# Altium PCB 运动控制板.PcbDoc (part 3 of 3)
Units mil, origin at the board's own origin, x right, y up, seen from the top; angles counter-clockwise.
Board outline 4921.26 x 3543.31 mil, 2 copper layers (Top Layer, Bottom Layer); 234 components, 177 nets, 792 pads, 437 vias.
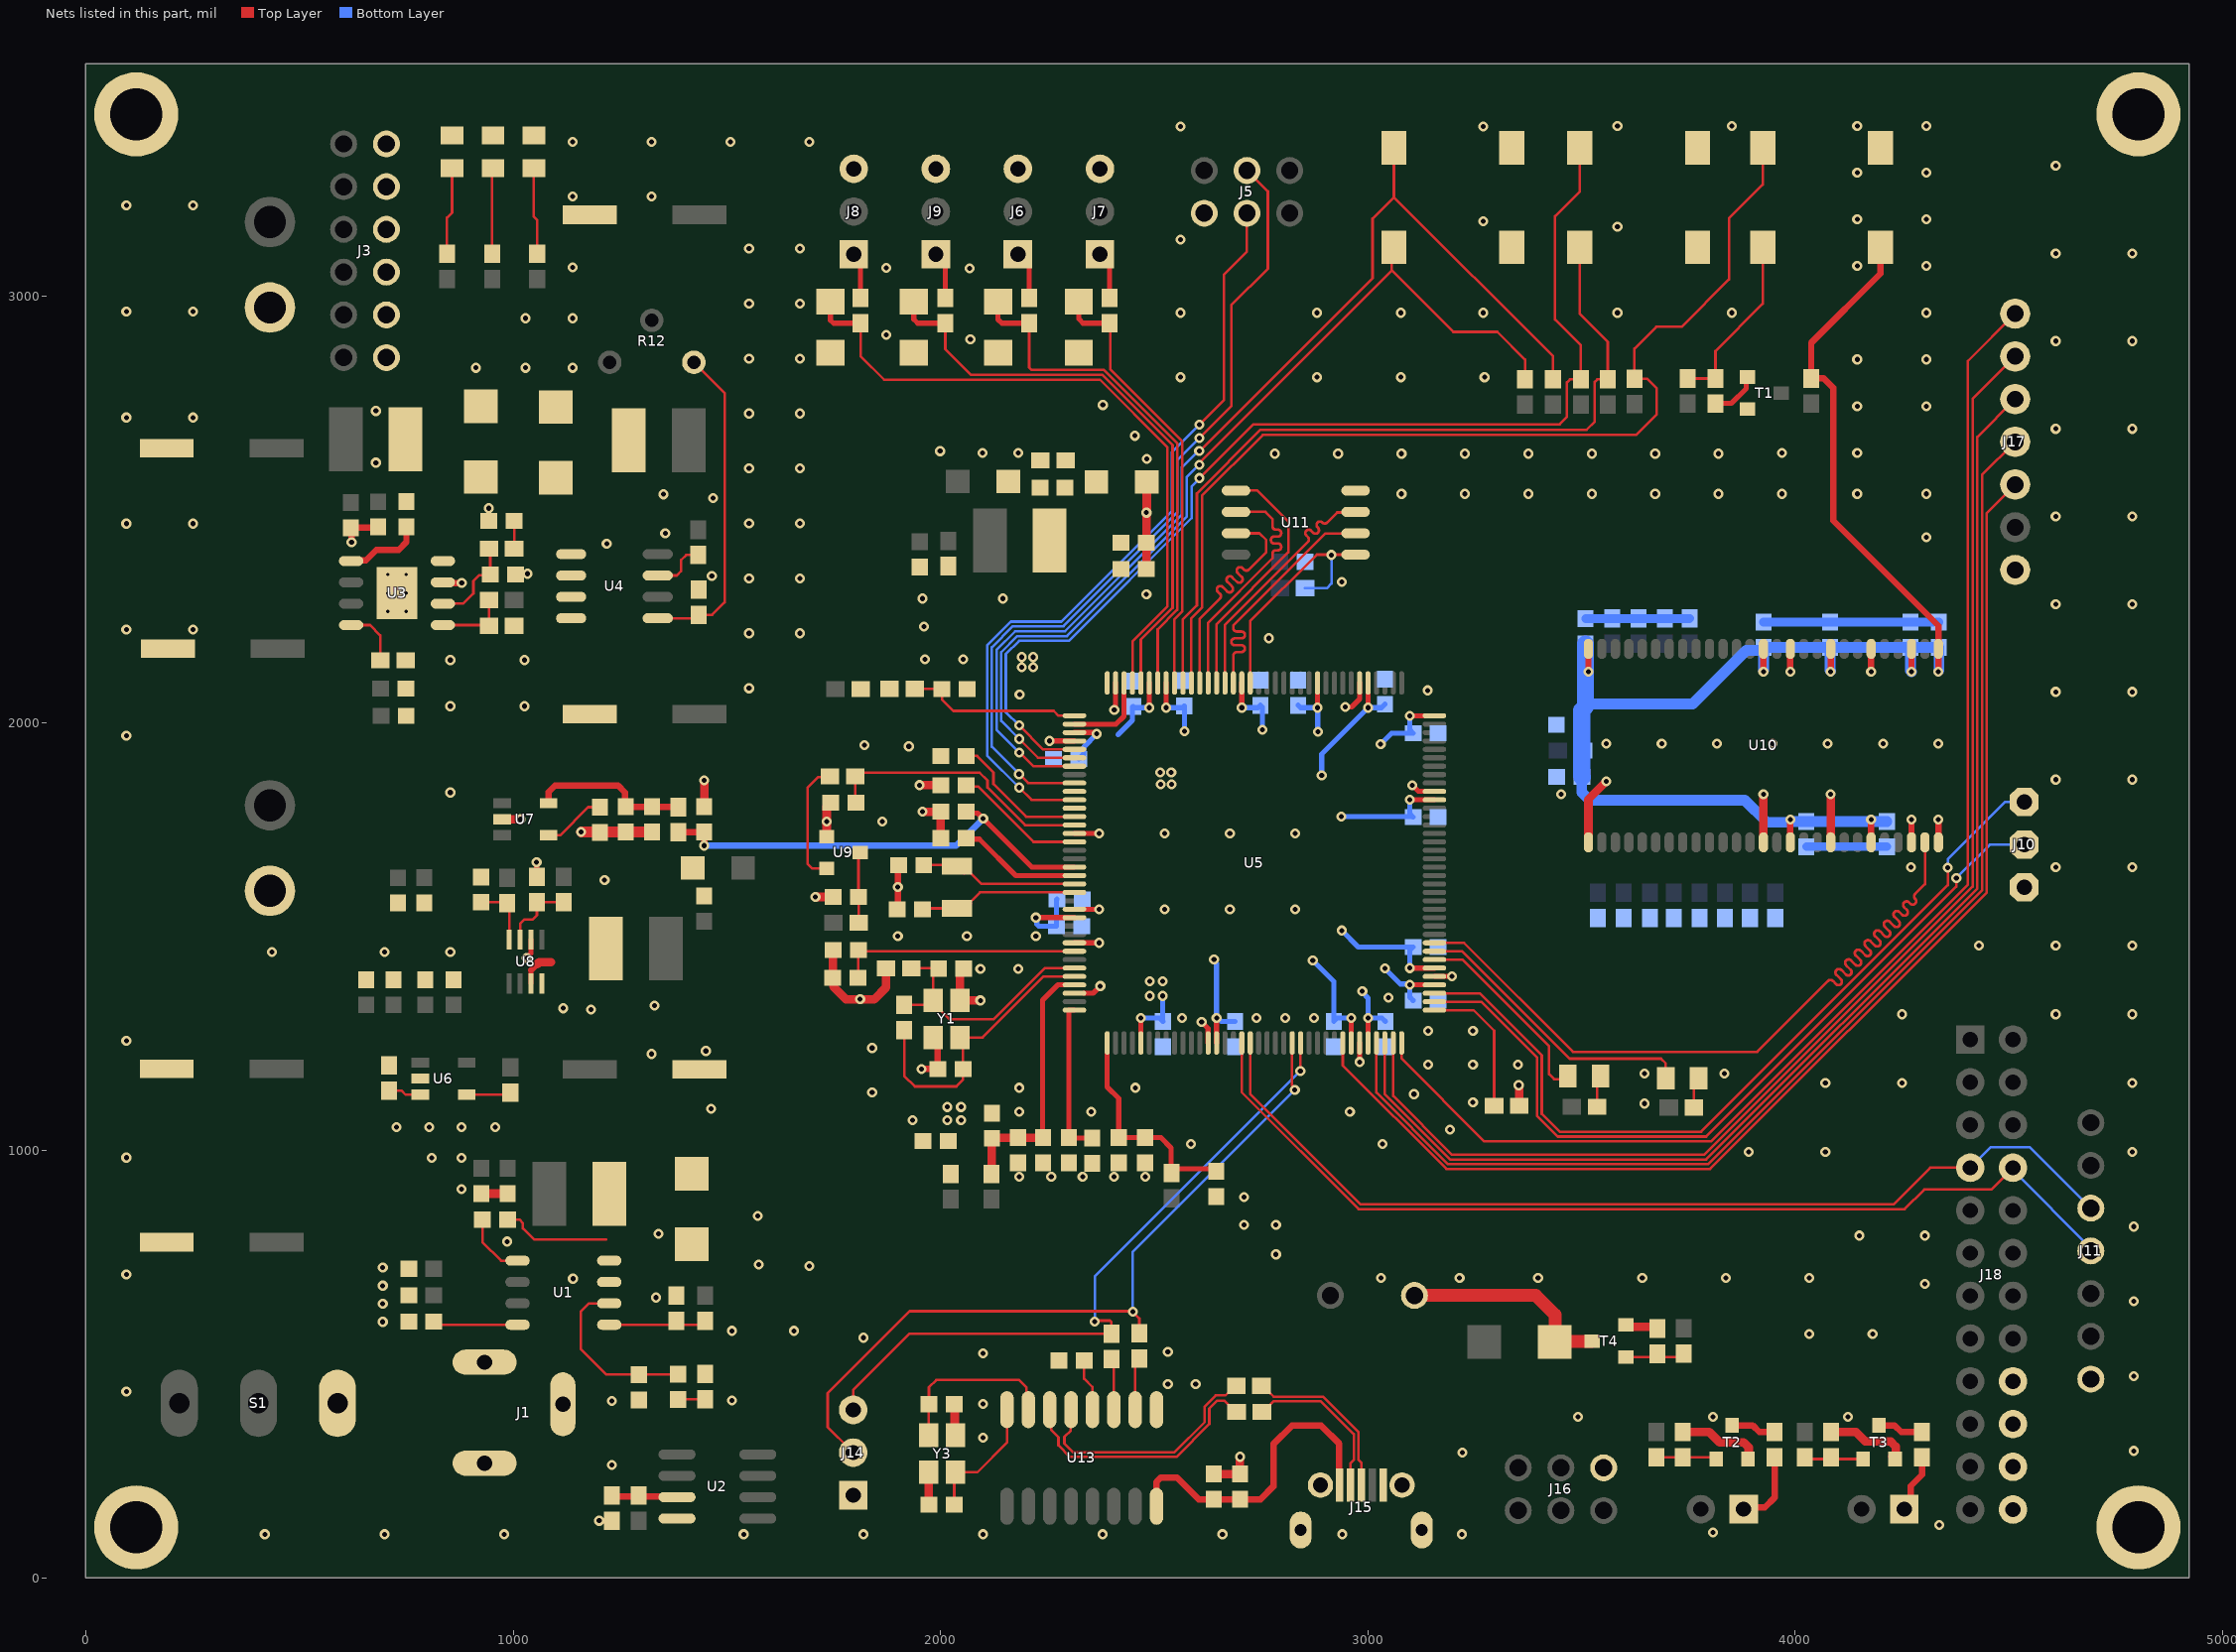
[diagram p3: the nets of this part, all layers, seen from the top]

## Via types
v1: diameter 23.62, hole 11.81, Top Layer to Bottom Layer, tented both sides, 431 vias
v2: diameter 19.68, hole 7.87, Top Layer to Bottom Layer, 6 vias

## Nets (pads, with @x,y where several pads share a name; then routed paths per layer and width w, separated by ;. In a path a pad name is that pad's centre, name@x,y a point inside that pad or via, vN(x,y) a via of type N, cw(c..) or ccw(c..) an arc to the next point about the centre after c; other vN are vias at no path point) (continued)
EMC_39: U5.117 U10.53 | length 1901
  Top Layer w6: U5.117@3155.84,1486.17 3224.6,1486.17 3479.77,1231 3911,1231 4076.84,1396.84 cw(c4082.5,1391.19) 4088.15,1396.85 4095.5,1389.5 ccw(c4101.15,1395.16) 4106.81,1389.5 ccw(c4101.15,1395.16) 4106.81,1400.81 4096.46,1411.17 cw(c4102.11,1416.83) 4096.46,1422.48 cw(c4102.11,1416.83) 4107.77,1422.48 4118.12,1412.13 ccw(c4123.78,1417.78) 4129.44,1412.13 ccw(c4123.78,1417.78) 4129.44,1423.44 4119.08,1433.8 cw(c4124.74,1439.45) 4119.08,1445.11 cw(c4124.74,1439.45) 4130.4,1445.11 4140.75,1434.76 ccw(c4146.41,1440.41) 4152.07,1434.75 ccw(c4146.41,1440.41) 4152.07,1446.07 4141.71,1456.42 cw(c4147.37,1462.08) 4141.71,1467.74 cw(c4147.37,1462.08) 4153.02,1467.74 4163.38,1457.38 ccw(c4169.04,1463.04) 4174.69,1457.38 ccw(c4169.04,1463.04) 4174.69,1468.7 4164.34,1479.05 cw(c4169.99,1484.71) 4164.34,1490.37 cw(c4169.99,1484.71) 4175.65,1490.37 4186.01,1480.01 ccw(c4191.66,1485.67) 4197.32,1480.01 ccw(c4191.66,1485.67) 4197.32,1491.32 4186.97,1501.68 cw(c4192.62,1507.34) 4186.96,1512.99 cw(c4192.62,1507.34) 4198.28,1512.99 4208.63,1502.64 ccw(c4214.29,1508.29) 4219.95,1502.64 ccw(c4214.29,1508.29) 4219.95,1513.95 4209.59,1524.31 cw(c4215.25,1529.96) 4209.59,1535.62 cw(c4215.25,1529.96) 4220.91,1535.62 4231.26,1525.26 ccw(c4236.92,1530.92) 4242.58,1525.26 ccw(c4236.92,1530.92) 4242.58,1536.58 4232.22,1546.93 cw(c4237.88,1552.59) 4232.22,1558.25 cw(c4237.88,1552.59) 4243.53,1558.25 4249.78,1552 ccw(c4255.44,1557.66) 4261.1,1552 ccw(c4255.44,1557.66) 4261.1,1563.31 4254.85,1569.56 cw(c4260.5,1575.22) 4254.85,1580.88 cw(c4260.5,1575.22) 4266.16,1580.88 4269.18,1577.86 ccw(c4274.83,1583.52) 4280.49,1577.86 ccw(c4274.83,1583.52) 4280.49,1589.17 cw(c4286.15,1594.83) 4280.48,1600.48 4303.49,1623.49 U10.53@4303.49,1721.47
EMC_40: D12.2 U5.116 | length 684.7
  Top Layer w6: U5.116@3155.84,1466.49 3220.51,1466.49 3472,1215 3686,1215 3696.98,1204.02 D12.2@3696.98,1169.21
EMC_41: D11.2 U5.115 | length 470.1
  Top Layer w6: U5.115@3155.84,1446.8 3221.2,1446.8 3424,1244 3424,1179 3436,1167 D11.2@3472,1167
FlexSPI_CLK: U5.24 U11.6 | length 597.9
  Top Layer w6: U5.24@2626.32,2094.44 2626.32,2235.32 2777,2386 2777,2397 cw(c2785,2397) 2785,2405 2789.28,2405 ccw(c2789.28,2413) 2797.28,2413 ccw(c2789.28,2413) 2789.28,2421 2781,2421 cw(c2781,2429) 2773,2429 cw(c2781,2429) 2781,2437 2789.28,2437 ccw(c2789.28,2445) 2797.28,2445 ccw(c2789.28,2445) 2789.28,2453 2785,2453 cw(c2785,2461) 2777,2461 2777,2474.94 ; U11.6@2691.65,2494.69 2760.31,2494.69 2777,2478 2777,2476.94
FlexSPI_D0_A: U5.23 U11.5 | length 599.6
  Top Layer w6: U5.23@2646,2094.44 2646,2232 2814,2400 2814,2472 2741.31,2544.69 U11.5@2691.65,2544.69
FlexSPI_D1_A: U5.21 U11.2 | length 599.7
  Top Layer w6: U5.21@2685.37,2094.44 2685.37,2158.76 cw(c2693.37,2158.76) 2693.37,2166.76 2704.22,2166.76 ccw(c2704.22,2174.76) 2712.22,2174.76 ccw(c2704.22,2174.76) 2704.22,2182.76 2688.45,2182.76 cw(c2688.45,2190.76) 2680.45,2190.76 cw(c2688.45,2190.76) 2688.45,2198.76 2704.22,2198.76 ccw(c2704.22,2206.76) 2712.22,2206.76 ccw(c2704.22,2206.76) 2704.22,2214.76 2693.37,2214.76 cw(c2693.37,2222.76) 2685.37,2222.76 2685.37,2229.37 2900,2444 2970.49,2444 U11.2@2971.18,2444.69
FlexSPI_D2_A: U5.22 U11.3 | length 600.6
  Top Layer w6: U5.22@2665.69,2094.44 2665.69,2230.69 2859.62,2424.62 ccw(c2853.96,2430.28) 2859.63,2435.93 2856.21,2439.35 cw(c2861.86,2445.01) 2856.21,2450.66 cw(c2861.86,2445.01) 2867.52,2450.66 2872.08,2446.11 ccw(c2877.73,2451.76) 2883.39,2446.11 ccw(c2877.73,2451.76) 2883.39,2457.42 2882.25,2458.56 cw(c2887.91,2464.22) 2882.25,2469.88 cw(c2887.91,2464.22) 2893.56,2469.88 ccw(c2899.22,2475.53) 2904.87,2469.87 2928.39,2493.39 2969.88,2493.39 U11.3@2971.18,2494.69
FlexSPI_D3_A: U5.25 U11.7 | length 600.1
  Top Layer w6: U5.25@2606.63,2094.44 2606.63,2244.63 2653.73,2291.73 ccw(c2648.07,2297.39) 2653.74,2303.04 2649.01,2307.77 cw(c2654.67,2313.42) 2649.01,2319.08 cw(c2654.67,2313.42) 2660.32,2319.08 2670.81,2308.59 ccw(c2676.47,2314.25) 2682.13,2308.59 ccw(c2676.47,2314.25) 2682.13,2319.9 2671.64,2330.39 cw(c2677.29,2336.05) 2671.64,2341.71 cw(c2677.29,2336.05) 2682.95,2341.71 2693.44,2331.22 ccw(c2699.1,2336.87) 2704.75,2331.22 ccw(c2699.1,2336.87) 2704.75,2342.53 2695.42,2351.87 cw(c2701.07,2357.53) 2695.42,2363.18 cw(c2701.07,2357.53) 2706.73,2363.18 2710.3,2359.61 ; U11.7@2691.65,2444.69 2746.31,2444.69 2762,2429 2762,2400 2721.61,2359.61 ; 2710.31,2359.61 ccw(c2715.96,2365.27) 2721.61,2359.61
FlexSPI_SS0: R42.2 U5.19 U11.1 | length 588.6
  Top Layer w6: U5.19@2724.74,2094.44 2724.74,2238.74 2880.69,2394.69 U11.1@2971.18,2394.69
  Bottom Layer w6: R42.2@2853.16,2316.32 2904.32,2316.32 2915,2327 v1(2915,2394)
GND: C2.2 C3.2 C4.2 C5.2 C6.2 C8.2 C9.2 C10.2 C11.2 C13.2 C14.2 C15.2 C16.2 C17.2 C18.2 C19.2 C20.2 C21.2 C22.2 C23.2 C24.2 C25.2 C26.2 C27.2 C28.2 C29.1 C30.2 C31.2 C32.2 C33.2 C34.2 C35.2 C36.2 C37.2 C38.2 C39.2 C40.2 C41.2 C42.2 C43.1 C44.2 C45.2 C46.2 C47.1 C48.2 C49.2 C50.2 C51.2 C52.2 C53.2 C54.2 C55.1 C56.2 C57.2 C58.2 C59.2 C60.2 C61.2 C62.2 C63.2 C64.2 C65.2 C66.2 C67.2 C68.2 C69.2 C70.2 C71.2 C72.2 C73.2 C74.2 C75.2 C76.2 C77.2 C78.2 C79.2 C80.2 C81.2 C82.2 C83.2 C84.2 C85.2 C86.2 C87.2 C88.2 C89.2 C90.2 C91.2 C92.2 C93.2 C94.2 D1.1 D2.2 D3.2 D4.1 D5.2 D6.1 D7.1 D8.1 D9.1 D10.1 J1.2 J1.3 J2.2 J3.7 J3.8 J3.9 J3.10 J3.11 J3.12 J4.2 J5.4 J6.3 J7.3 J8.3 J9.3 J10.3 J11.7 J14.1 J15.5 J15.6 J15.7 J15.8 J15.9 J16.4 J17.1 J18.18 J18.20 J18.22 J18.24 K1.1 K2.1 K3.1 K4.1 K5.1 M1.0 M2.0 M3.0 M4.0 R4.2 R5.2 R7.2 R10.2 R13.1 R14.2 R18.2 R21.1 R23.2 R30.2 R45.1 R46.1 R47.1 R48.1 R50.1 R51.1 R53.1 R54.1 R55.1 R57.1 R58.1 R59.1 R61.2 R66.2 R67.2 R71.2 T1.2 T2.2 T3.2 T4.2 U1.7 U2.4 U3.7 U3.9 U4.7 U4.8 U5.6 U5.35 U5.40 U5.51 U5.60 U5.64 U5.70 U5.85 U5.103 U5.113 U5.135 U6.2 U7.2 U8.4 U8.6 U9.1 U10.6 U10.12 U10.28 U10.41 U10.46 U10.52 U10.54 U11.4 U13.1 Y1.2 Y1.4 Y3.2 Y3.4 | length 4559
  Top Layer w12: C18.2@943.32,2473.58 v1(943.32,2503.32) ; v1(1032,1451) 1041.92,1460.92 1041.92,1493.55 U8.6@1042.02,1493.65 ; v1@1055,1671 1055,1641.09 R23.2@1055.67,1640.42 ; v1(1201.42,133.58) R7.2@1231.3,133.58 ; v1(2255.36,1958.74) 2255.43,1958.68 2313.26,1958.68 U5.40@2313.33,1958.61 ; U5.64@2313.33,1486.17 v1(2371.29,1486.17) ; U5.60@2313.33,1564.91 v1(2371.29,1564.91) ; U5.51@2313.33,1742.08 v1(2371.29,1742.08) ; U5.70@2334.88,1368.16 2357.16,1368.16 v1(2374,1385) ; v1(2406.66,2031.39) 2409.69,2034.42 2409.69,2094.35 U5.35@2409.78,2094.44 ; v1(2611,1301) 2626.22,1285.78 2626.22,1252.01 U5.85@2626.32,1251.92 ; v1(2947,2038) 2962,2038 2980.55,2056.55 2980.55,2094.35 U5.6@2980.65,2094.44 ; v1(2980.65,1207.35) U5.103@2980.65,1251.92 ; v1(3104,1855) 3118.4,1840.6 3155.75,1840.6 U5.135@3155.84,1840.5 ; U5.113@3155.84,1407.43 v1(3196.43,1407.43)
  Top Layer w15: v1(622,2424) 622,2455.89 C14.2@620.51,2457.38 621.48,2458.35 683.07,2458.35 C13.2@684.04,2459.32 ; R18.2@709.75,1199.33 709.75,1196.38 R18.2@720.95,1185.18 ; U6.2@778.7,1172.59 U6.2@783.02,1168.28 U6.2@787.33,1163.96 ; U3.7@835.63,2329.93 837.28,2328.28 v1(879.72,2328.28) ; C17.2@1005.67,2348.68 1006.98,2350 v1(1034,2350) ; C68.2@1898.71,1564.66 1900.21,1566.16 v1(1900.21,1616.44) 1900.21,1666.73 C67.2@1901.71,1668.23 ; v1(1955.73,1190.73) C66.2@1993.69,1190.73 1993.69,1253.87 Y1.4@1982.9,1264.67 ; Y1.4@1970.9,1260.67 Y1.4@1981.69,1249.87 ; v1@3988.53,2127.2 U10.12@3988.53,2174.23 ; v1@4177.51,2127.2 U10.6@4177.51,2174.23 ; U10.52@4272,1721.47 v1@4272,1768.49 ; U10.54@4334.99,1721.47 v1@4334.99,1768.49
  Top Layer w20: C3.2@925.99,899.26 C4.2@987.3,899.26 ; U7.2@974.58,1775.35 v1(1017.35,1775.35) ; C42.2@1446.36,1596.47 C42.2@1446.78,1596.06 ; C29.1@1447.26,1804.8 v1(1447.26,1866.74) ; v1(1707.54,1593.54) C61.2@1749.1,1593.54 ; U9.1@1733.67,1734.71 v1(1733.67,1769.97) 1733.67,1805.23 1742.37,1813.93 C62.2@1743.1,1813.93 ; C35.2@1749.1,1469.27 1748.6,1468.77 1748.6,1405.08 C34.2@1748.1,1404.58 1749,1403.68 1749,1384 1779,1354 v1(1812,1354) 1845,1354 1872.66,1381.66 R30.2@1872.66,1426.51 ; v1(1951.21,1855.21) C57.2@2000.69,1855.21 ; v1(1957.89,1793.11) C45.2@2000.69,1793.11 C44.2@2000.69,1731.04 ; Y3.2@1971.97,247.23 1972.5,246.69 1972.5,171.98 C94.2@1973.04,171.44 ; C93.2@2031.96,406.25 2033.46,404.75 2033.46,335.34 Y3.4@2034.96,333.84 ; C65.2@2054.64,1425.76 C65.2@2054.64,1425.76 2045.89,1417.06 Y1.2@2045.89,1351.28 v1(2093.28,1351.28) ; C59.2@2482,2378 v1(2482,2493) 2482.69,2493.69 C58.2@2482.69,2538 ; C90.2@2639.13,242.96 C91.2@2700.82,242.96 v1(2700.82,283.18) ; K1.1@3336.58,3347.25 K1.1@3340,3350.67 ; v1(3353,1153) 3353.69,1152.31 3353.69,1105.4 R61.2@3354.43,1104.66 ; U10.28@3516.09,1721.47 3516.09,1822.09 v1(3558,1864) ; T4.2@3603.73,591.61 3607.88,587.46 3673.49,587.46 R71.2@3677.64,583.31 ; R66.2@3736.64,341.04 3798.96,341.04 3823,317 3879.28,317 3891,305.28 3891,296 ; K3.1@3771.58,3347.25 K3.1@3774,3349.67 ; U10.41@3925.54,1721.47 v1(3925.54,1833.54) ; U10.46@4083.02,1721.47 v1(4083.02,1833.54) ; R67.2@4083.64,341.04 4141.96,341.04 4164,319 4223.28,319 4235,307.28 4235,279.44 T3.2@4233.61,278.05 T3.2@4227.87,283.8 ; K5.1@4199.47,3347.25 K5.1@4202,3349.78
  Top Layer w25: v1(1159.37,1745.63) C27.2@1263.8,1745.63 C28.2@1325.49,1745.63
  Bottom Layer w20: C76.2@3509.38,2244.71 3509.71,2245.05 3752.57,2245.05 R45.1@3752.91,2245.39 ; C77.2@3926.07,2236.71 C78.2@4081.76,2236.71 C72.2@4336.14,2236.71 ; C71.2@4026.17,1711.29 C74.2@4214.48,1711.29
  other v1: 419,102 699.1,102 979.2,102 1539.4,102 1819.5,102 2099.6,102 2379.7,102 2659.8,102 2939.9,102 3220,102 3807.5,105.93 4337,123.93 1231,264 3221,293 4792,297 2099.6,328 3492,377 3807.5,377 4123,377 2099.6,407 1231,414 1512,415 95,436 2532,453 2597,453 4792,472 2099.6,525 2532,529 1819.5,562 4033,571 4181,571 1512,578 1657,578 695,599 695,641.33 4792,647 1334,656 695,683.67 4303,688 1140,700 3031,702 3214.6,702 3398.2,702 3642,702 3837.5,702 4033,702 95,709.67 695,726 1693,730 1575,733 2785,757 986,787 4150,801 4303,801 1340,805 4792,822 2710,826 2785,826 1572,847 2710,891 879.48,910 2184,939 2259.25,939 2332.5,939 2405.75,939 2479,939 809.33,982.5 879.48,982.5 95,983.33 3891,997 4070.6,997 4789,997 2586,1015 3034,1015 3192,1049 727,1055 804,1055 879.48,1055 958,1055 1935,1071 2184,1091 2353,1091 2958,1091 1463,1098 3647,1110 3246,1113 3108,1132 1840,1136 2184,1147 2456,1147 4070.6,1158 4250.2,1158 4789,1158 3647,1180 3834,1180 3141,1201 3246,1201 3351,1201 1324,1226 1451,1233 1840,1240 95,1257 3141,1280 3246,1280 2565,1309.88 2739,1309.88 2806.5,1309.88 2874,1309.88 4250.2,1319 4609.4,1319 4789,1319 1182,1330 1117,1333 1331,1339 3048,1358 2093.28,1425 2182,1425 436,1465 699,1465 853,1465 4429.8,1480 4609.4,1480 4789,1480 1900.21,1502 2061.72,1502 2223.23,1502 2524.19,1564.91 2677.1,1564.91 2830,1564.91 1214,1633 4271,1663 4609.4,1663 4789,1663 1055,1675 2524.19,1742.08 2677.1,1742.08 2830,1742.08 1864,1769.97 4272,1774.59 4334.99,1774.59 3452,1833.54 853,1838 4609.4,1868.25 4789,1868.25 1926,1946 1822,1949 3558,1952 3687.5,1952 3817,1952 3946.49,1952 4075.99,1952 4205.49,1952 4334.99,1952 95,1971 853,2040 1027,2040 2185,2067 4609.4,2073.5 4789,2073.5 3140,2077 1552,2082 3988.53,2121 4177.51,2121 853,2148 1027,2148 1964,2150 2053,2150 2768,2199 1552,2210.62 1671,2210.62 95,2219.2 251,2219.2 1961,2226 4609.4,2278.75 4789,2278.75 1958,2292 2146,2292 2482,2302 2939,2331 1552,2339.25 1671,2339.25 1465,2345 1219,2420 4307,2435 1356,2445 95,2467.4 251,2467.4 1552,2467.88 1671,2467.88 4609.4,2484 4789,2484 1468,2527 1352,2536 3078.75,2537 3227.12,2537 3375.5,2537 3523.87,2537 3672.25,2537 3820.62,2537 3969,2537 4145,2537 4307,2537 1552,2596.5 1671,2596.5 679,2610 2483,2619 2782,2631 2930.38,2631 3078.75,2631 3227.12,2631 3375.5,2631 3523.87,2631 3672.25,2631 3820.62,2631 2098,2633 2182,2633 3969,2633 4145,2633 1999,2637 2455,2673 4609.4,2689.25 4789,2689.25 95,2715.6 251,2715.6 1552,2725.12 1671,2725.12 679,2731 4145,2742.29 4307,2742.29 2380,2745 2562,2810 2881,2810 3077,2810 3273,2810 913,2832 1029,2832 1139,2832 4145,2851.57 4307,2851.57 1552,2853.75 1671,2853.75 4609.4,2894.5 4789,2894.5 2070,2899 1873,2909 1029,2948 1139,2948 2562,2960.86 2881,2960.86 3077,2960.86 3270,2960.86 3584,2960.86 3852,2960.86 4307,2960.86 95,2963.8 251,2963.8 1552,2982.38 1671,2982.38 2068,3065 1873,3066 1139,3067 4145,3070.14 4307,3070.14 4609.4,3099.75 4789,3099.75 1552,3111 1671,3111 2562,3132 3584,3162 3270,3175 4145,3179.43 4307,3179.43 95,3212 251,3212 1139,3233 1323.67,3233 4145,3288.71 4307,3288.71 4609.4,3305 1139,3361 1323.67,3361 1508.33,3361 1693,3361 2562,3397 3270,3397 3584,3398 3852,3398 4145,3398 4307,3398
  other v2: 706.69,2261.62 750,2261.62 706.69,2304.93 750,2304.93 706.69,2348.24 750,2348.24
JTAG_MOD: R61.1 U5.109 | length 335.4
  Top Layer w6: U5.109@3155.84,1328.69 3247.31,1328.69 3295.37,1280.63 R61.1@3295.37,1104.66
KEY1: K1.2 R34.2 U5.43 | length 2615.9
  Top Layer w6: v1(2184,1931.81) 2184.99,1931.81 2217.24,1899.56 U5.43@2313.33,1899.56 ; v1(2605.31,2637.19) 2606.69,2637.19 3011,3041.5 3011,3181 3060.99,3230.99 ; K1.2@3060.99,3347.25 3060.99,3230.99 ; R34.2@3433.1,2804.98 3433.1,2858.88 3060.99,3230.99
  Bottom Layer w6: v1(2184,1931.81) 2131,1984.81 2131,2171.56 2174.76,2215.31 2291.43,2215.31 2565,2488.89 2565,2599.04 2601.74,2635.79 2603.91,2635.79 v1(2605.31,2637.19)
KEY2: K2.2 R36.2 U5.42 | length 2211.5
  Top Layer w6: v1(2184,1963.4) 2228.16,1919.24 U5.42@2313.33,1919.24 ; v1(2606,2605.25) 2606,2609.86 3056,3059.86 ; K2.2@3060.99,3114.06 3056,3109.06 3056,3059.86 ; R36.2@3367.7,2804.98 3367.7,2851.3 3303,2916 3199.86,2916 3056,3059.86
  Bottom Layer w6: v1(2184,1963.4) 2142,2005.4 2142,2166.56 2179.44,2204 2295.67,2204 2576.31,2484.64 2576.31,2576.84 v1@2607,2607.52
KEY3: K3.2 R37.2 U5.41 | length 2627.5
  Top Layer w6: v1(2184,1995) 2240.07,1938.93 U5.41@2313.33,1938.93 ; v1(2606,2574) 2732,2700 3449,2700 3466,2717 3466,2798 3472.98,2804.98 R37.2@3498.5,2804.98 3498.5,2884.5 3438,2945 3438,3187 3495.99,3244.99 K3.2@3495.99,3347.25
  Bottom Layer w6: v1(2184,1995) 2153,2026 2153,2162 2184,2193 2300.23,2193 2587.31,2480.09 2587.31,2554.31 v1@2607,2574
KEY4: K4.2 R38.2 U5.27 | length 1919.6
  Top Layer w6: U5.27@2567.26,2094.44 2567.26,2243.26 2599.98,2275.98 2599.98,2537.98 2749.02,2687.02 3512.02,2687.02 3531,2706 3531,2799 3536.98,2804.98 R38.2@3561.31,2804.98 3561.31,2892.69 3495.99,2958.01 K4.2@3495.99,3114.06
KEY5: K5.2 R39.2 U5.26 | length 2413.9
  Top Layer w6: U5.26@2586.95,2094.44 2586.95,2245.95 2612,2271 2612,2533 2754,2675 3628,2675 3676,2723 3676,2784 3654.02,2805.98 R39.2@3623.91,2805.98 3623.91,2876.91 3675,2928 3734,2928 3845,3039 3845,3182 3923.88,3260.88 K5.2@3923.88,3347.25
LPUART1_RX: J14.2 R69.1 U5.95 | length 1807.9
  Top Layer w6: J14.2@1795.72,292.98 1788.02,292.98 1788.02,300.69 1736,352.71 1736,432 1928,624 2448,624 2465.24,606.76 R69.1@2465.24,572.35 ; U5.95@2823.17,1251.92 2822.19,1250.94 2822.19,1153.91 2829.17,1146.94 v1(2829.17,1142.17)
  Bottom Layer w6: v1(2449.92,623) 2449.92,762.92 v1(2829.17,1142.17)
LPUART1_TX: J14.3 R70.1 U5.96 | length 1626
  Top Layer w6: J14.3@1795.72,392.98 1795.72,439.72 1927.06,571.06 R70.1@2400.08,571.06 2400.08,598.49 2396.57,602 2363,602 v1(2361,600) ; v1(2842,1186) 2842.43,1186.43 2842.43,1251.49 U5.96@2842.85,1251.92 U5.96@2842.98,1251.79
  Bottom Layer w6: v1(2361,600) 2361,705 v1(2842,1186)
LPUART2_RX: J11.4 J18.8 U5.89 | length 2343.5
  Top Layer w6: U5.89@2705.06,1251.92 2705.06,1136.27 2978.33,863 4256,863 4302,909 4458.61,909 J18.8@4509.45,959.84
  Bottom Layer w6: J18.8@4509.45,959.84 4509.45,953.58 4691.62,771.42 J11.4@4691.62,765.16
LPUART2_TX: J11.3 J18.7 U5.90 | length 2310.2
  Top Layer w6: U5.90@2724.74,1251.92 2724.74,1132.14 2982.89,874 4230,874 4315.84,959.84 J18.7@4409.45,959.84
  Bottom Layer w6: J18.7@4409.45,959.84 4412.84,959.84 4412.84,963.24 4457.61,1008 4548.77,1008 J11.3@4691.62,865.16
MCU_DCDC_IN_3V3: C43.2 C58.1 C59.1 C60.1 R19.2 R21.2 R31.2 U5.34 U5.38 | length 203.3
  Top Layer w12: U5.38@2313.33,1997.98 2410.98,1997.98 2429.47,2016.47 U5.34@2429.47,2094.44 ; C58.1@2364.68,2564.9 C58.1@2365.73,2565.95
NetC1_1: C1.1 U1.1 | length 152.7
  Top Layer w6: C1.1@928.26,838.3 928.26,785.74 971.71,742.29 U1.1@1010.35,742.29
NetC1_2: C1.2 D1.2 L1.1 U1.8 | length 256.9
  Top Layer w6: C1.2@987.31,838.3 1014.7,838.3 1023,830 1023,818 1049,792 1218,792
NetC7_1: C7.1 C8.1 U1.6 | length 415.3
  Top Layer w6: U1.6@1224.92,642.29 1177.29,642.29 1158,623 1158,536 1218.26,475.74 C8.1@1294.27,475.74 1384.99,475.74 C7.1@1385.99,476.74
NetC7_2: C7.2 R4.1 | length 63.2
  Top Layer w6: C7.2@1385.99,417.69 1386.32,418.01 R4.1@1449.1,418.01
NetC9_1: C9.1 U1.4 | length 198.6
  Top Layer w6: C9.1@814.67,599.39 821.76,592.29 U1.4@1010.35,592.29
NetC12_1: C12.1 U3.1 | length 183.2
  Top Layer w15: U3.1@621.06,2379.93 622.71,2381.58 655.58,2381.58 680,2406 732,2406 750.34,2424.34 C12.1@750.34,2459.9
NetC12_2: C12.2 D4.2 L2.1 U3.8 | length 7
  Top Layer w6: C12.2@750.34,2518.95 C12.2@755.29,2514
NetC17_1: C17.1 R9.1 U3.6 | length 218.1
  Top Layer w6: U3.6@835.63,2279.93 882.93,2279.93 907,2304 907,2333 921,2347 944.93,2347 C17.1@946.61,2348.68 946.61,2405.67 R9.1@943.29,2408.99
NetC18_1: C18.1 R9.2 | length 64.6
  Top Layer w6: R9.2@1002.35,2408.99 C18.1@1002.38,2473.58
NetC31_1: C31.1 U7.4 | length 147.4
  Top Layer w6: U7.4@1082.85,1737.94 1109.94,1737.94 1175.8,1803.8 C31.1@1202.96,1803.8
NetC34_1: C34.1 C35.1 U5.65 | length 571.4
  Top Layer w6: C34.1@1807.15,1404.58 1807.15,1468.27 C35.1@1808.15,1469.27 1810.94,1466.49 U5.65@2313.33,1466.49
NetC36_1: C36.1 C37.1 U5.72 | length 366.6
  Top Layer w12: U5.72@2313.33,1328.69 2300.13,1328.69 2300.04,1328.6 C37.1@2300.04,1030.27 2301.04,1029.27 C36.1@2354.55,1029.27
NetC44_1: C44.1 U5.56 | length 289.8
  Top Layer w12: C44.1@2059.75,1731.04 2061.79,1729 2091,1729 2176.35,1643.65 U5.56@2313.33,1643.65